# Altium PCB rt10.PcbDoc (part 4 of 4) (continued)
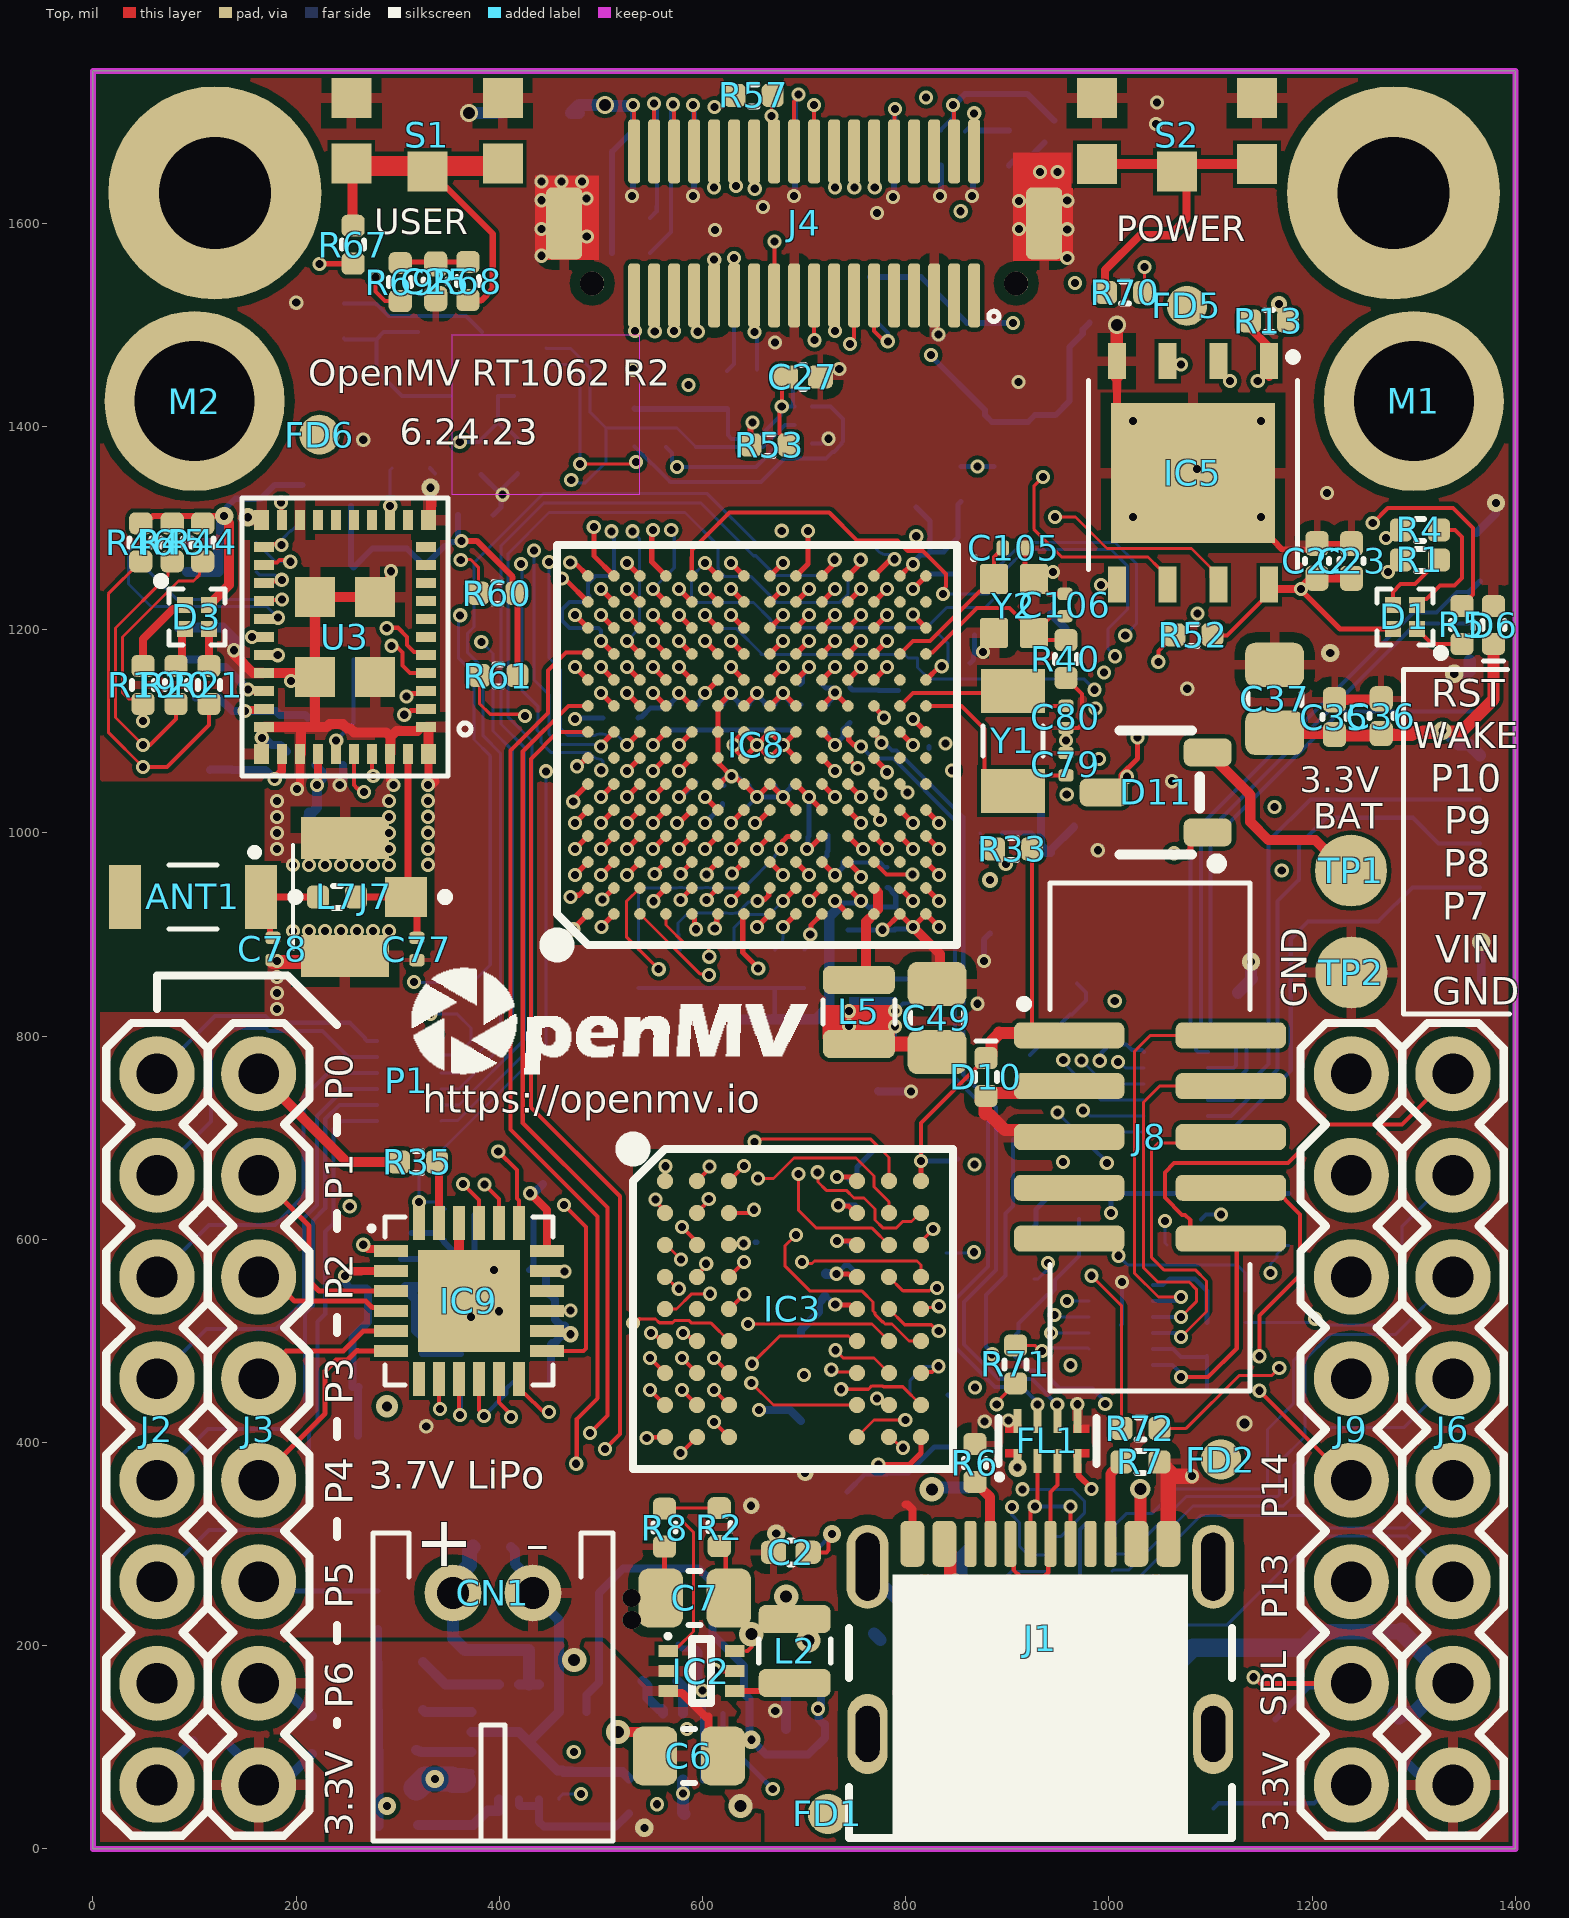
[diagram p0: Top view]
## Nets (pads, with @x,y where several pads share a name; then routed paths per layer and width w, separated by ;. In a path a pad name is that pad's centre, name@x,y a point inside that pad or via, vN(x,y) a via of type N, cw(c..) or ccw(c..) an arc to the next point about the centre after c; other vN are vias at no path point) (continued)
  Top w5: IC8.K8@717.52,1099.41 v1(730.31,1086.62)
  L3 w5: v1(730.31,1086.62) 770.69,1127 825,1127 858,1094 858,1073.13 846.31,1061.44 v1(845.59,1061.44)
  Bottom w5: C71.1@718.5,1101.2 719.73,1101.2 723.2,1097.74 723.2,1093.73 v1(730.31,1086.62) 738.34,1094.65 738.34,1102.12 C72.2@745.08,1108.86
VDDA: C51.1 C52.2 J4.4 L4.1 | length 235.6
  Top w4: v1(846.46,1716.54) 847.64,1715.35 J4.4@847.64,1670.87
  Bottom w4: C52.2@834.65,1691.34 834.65,1692.27 846.46,1704.08 v1(846.46,1716.54)
  Bottom w6: v1(846.46,1716.54) 847.56,1716.54 858.4,1727.39 919.7,1727.39 945.75,1701.34 C51.1@946.26,1701.34 ; L4.1@901.57,1657.09 905.88,1661.39 918.34,1661.39 C51.1@936.49,1679.55
VDDA_ADC_3P3: C59.1 C60.2 C61.2 IC8.N14 L6.1 | length 160.3
  Top w5: IC8.N14@794.29,1252.95 805.92,1264.58 v1(807.07,1264.58)
  Bottom w5: v1(807.07,1264.58) 807.07,1266.07 814.56,1273.56 820.63,1273.56 C59.1@823.82,1276.75 ; C61.2@810.04,1320.87 823.82,1307.09 C59.1@823.82,1276.75 ; L6.1@854.33,1326.38 851.38,1323.43 C60.2@851.38,1290.75 837.38,1276.75 C59.1@823.82,1276.75
VIN: D7.1 J6.2 Q6.D | length 484.1
  Bottom w6: J6.2@1334.31,167.26 J6.2@1338.58,162.99
  Bottom w15: 1207.28,213.72 1287.85,213.72 ; D7.1@1281.51,133.84 1281.51,133.24 1284.84,129.92 D7.1@1285.43,129.92 1288.76,133.24 1300.29,133.24 1330.04,162.99 J6.2@1338.58,162.99
  Bottom w18: Q6.D@970,161.18 1046.02,161.18 1082.81,197.97 1191.52,197.97 1207.28,213.72 ; 1287.85,213.72 J6.2@1334.31,167.26
VIN_INT: C5.2 IC1.6 Q6.S | length 461.6
  L6 w20: v1(584.6,118.15) 584.8,117.95 585.05,117.95 622,81 685,81 715.73,50.27 773.14,50.27 793.87,71 945.86,71 v2(950.41,66.44)
  Bottom w4: Q6.S@930.63,58.82 938.26,66.44 v2(950.41,66.44)
  Bottom w10: C5.2@575.2,165.35 580.71,159.84 IC1.6@580.71,133.38
VIN_LDO: C74.1 C91.2 L9.2 U3.31 | length 137.8
  Top w8: v1(149.45,1120.1) 150.47,1121.12 167.38,1121.12 U3.31@168.31,1122.04
  Bottom w8: L9.2@101,1133.5 123.73,1133.5 137.12,1120.1 v1(149.45,1120.1) 180.02,1120.1 C74.1@182,1118.13 184.13,1116 208.87,1116 C91.2@211,1113.87
WAKEUP: IC8.L6 Q2.2 | length 944.7
  Top w5: IC8.L6@743.11,1048.22 v1(755.9,1035.43)
  L4 w3: v1(1159,567) 1165.46,573.46 1165.46,912 1143,934.46 1143,1005.7 v1(1162.98,1025.67)
  L6 w3: v1(755.9,1035.43) 765.66,1025.67 952.89,1025.67 953.27,1025.29 961.14,1025.29 961.52,1025.67 v1(1162.98,1025.67)
  Bottom w3: v1(1159,567) 1159,575.82 1165.38,582.2 1165.38,585.59 1173.61,593.82 Q2.2@1177,593.82
WIFI_CLK: IC8.M13 U3.20 | length 700.8
  Top w4: v1(185.18,1325.31) 185.6,1324.89 185.6,1308.49 U3.20@186.02,1308.07
  Top w5: IC8.M13@768.7,1227.36 v1(781.49,1240.15)
  L6 w3: v1@185.36,1325.49 203.31,1343.44 298.88,1343.44 330.31,1312.01 462.57,1312.01 491.14,1283.44 680.63,1283.44 707.57,1256.5 734.89,1256.5 737.19,1254.19 742.77,1248.62 742.77,1234.23 749.35,1227.65 768.99,1227.65 v1(781.49,1240.15)
WIFI_CMD: IC8.H13 R62.1 U3.22 | length 594.2
  Top w4: U3.22@168.31,1281.49 171.22,1284.41 179.46,1284.41 182.4,1287.35 185.57,1284.18 v1(185.57,1283.44)
  Top w5: IC8.H13@666.35,1227.36 v1(679.14,1240.15)
  L3 w3: v1(185.57,1283.44) 215.56,1283.44 271.35,1227.65 666.64,1227.65 v1(679.14,1240.15)
  Bottom w3: v1(185.57,1283.44) 187.67,1285.54 187.67,1290.73 194.43,1297.49 195.43,1297.49 203.23,1305.3 R62.1@206,1305.3
WIFI_D0: IC8.M4 R63.1 U3.24 | length 1270.9
  Top w4: U3.24@168.31,1246.06 169.87,1247.62 184.32,1247.62 v1(185.88,1249.18)
  Top w5: IC8.M4@768.7,997.04 v1(781.49,984.25)
  L3 w3: v1(185.88,1249.18) 170,1265.05 170,1301 177,1308 201,1308 251,1358 413,1358 436.14,1334.86 777.14,1334.86 810.19,1301.81 810.19,1292.19 v1(810.32,1292.06)
  L4 w3: v1(781.49,984.25) 768.97,996.77 746.23,996.77 743,1000 743,1044 750,1051 758,1051 768.97,1061.97 768.97,1066.97 775,1073 785.55,1073 793.99,1081.44 793.99,1081.99 794,1127 808,1141 841,1141 860,1160 860,1262 827,1295 817,1295 816.17,1294.17 812.42,1294.17 v1(810.32,1292.06)
  Bottom w3: R63.1@160.7,1257 163.66,1254.04 178.62,1254.04 183.48,1249.18 v1(185.88,1249.18)
WIFI_D1: IC8.M3 R64.1 U3.26 | length 1860.2
  Top w4: U3.26@168.31,1210.63 168.97,1211.29 181.42,1211.29 v1(182.08,1211.96) ; IC8.M3@768.7,971.45 780.99,959.16 v1(806.5,959.16)
  L3 w3: v1(182.08,1211.96) 183.8,1211.96 187.84,1216 357.71,1216 359.48,1214.22 v1(361.38,1214.22)
  L6 w3: v1(182.08,1211.96) v1@182.97,1212.84 ; v1(315.94,853.22) 298,835.27 298,793 319,772 355,772 386,803 386,1024 407.27,1045.27 449.86,1045.27 460.58,1055.99 460.58,1067.58 495,1102 593,1102 625,1070 683,1070 692,1061 692,1001 695.66,997.34 787.66,997.34 792,993 792,991.42 793.99,989.43 793.99,979.66 805.36,968.29 805.36,960.3 v1(806.5,959.16)
  Bottom w3: R64.1@53.11,1282.82 40.82,1282.82 35,1277 35,1245 57.11,1222.89 171.15,1222.89 v1(182.08,1211.96) ; v1(315.94,853.22) 316.16,853 374,853 391,870 391,1076 375,1092 375,1157 359.54,1172.46 359.54,1212.39 v1(361.38,1214.22)
  Bottom w4: R64.1@53.11,1282.82 R64.1@55.3,1285
WIFI_D2: IC8.J12 R65.1 U3.23 | length 624.8
  Top w4: U3.23@168.31,1263.78 170.81,1266.28 181.06,1266.28 183.58,1268.79 192.48,1268.79 v1(194.23,1267.03)
  Top w5: IC8.J12@691.93,1201.77 v1(704.72,1214.56)
  L6 w3: v1(194.23,1267.03) 196.28,1267.03 201.49,1272.24 223.82,1272.24 269,1227.06 633.13,1227.06 633.19,1227 673.9,1227 673.96,1227.06 692.23,1227.06 694.63,1224.66 v1(704.72,1214.56)
  Bottom w3: R65.1@160.7,1286 179.67,1267.03 v1(194.23,1267.03)
WIFI_D3: IC8.K10 R66.1 U3.25 | length 802.1
  Top w4: U3.25@168.31,1228.34 169.1,1229.13 185.24,1229.13 v1(186.03,1229.93)
  Top w5: IC8.K10@717.52,1150.59 v1(730.31,1163.38)
  L6 w3: v1(186.03,1229.93) 189.01,1229.93 192.12,1226.82 193.18,1226.82 203,1217 203,1195 232.54,1165.46 381.81,1165.46 393.81,1177.46 479.53,1177.46 486.91,1170.07 486.91,1156.09 492.12,1150.88 642.88,1150.88 668,1176 717.69,1176 v1(730.31,1163.38)
  Bottom w3: R66.1@55.3,1257 82.37,1229.93 v1(186.03,1229.93)
WL_H_WAKE: IC8.E11 R61.1 U3.27 | length 731.3
  Top w3: R61.1@380.3,1155 380.3,1127.53 390.94,1116.89 423.61,1116.89 v1(425.33,1115.16)
  Top w4: v1(156.63,1192.87) U3.27@168.31,1192.91
  Top w5: v1(576.77,1188.97) IC8.E11@589.56,1176.18
  L4 w3: v1(425.33,1115.16) 425.33,1057.67 436.49,1046.51 449.49,1046.51 458.3,1055.33 458.3,1066.14 492.2,1100.04 533.11,1100.04 560.99,1127.92 563.68,1130.61 563.68,1175.88 v1(576.77,1188.97)
  L6 w3: v1(156.63,1192.87) 156.63,1184.21 167.53,1173.3 167.53,1166.47 171.6,1162.4 203.6,1162.4 216.28,1149.72 405.3,1149.72 425.33,1129.69 v1(425.33,1115.16)
WL_REG_ON: IC8.E10 U3.28 | length 439.7
  Top w4: U3.28@168.31,1175.19 168.4,1175.11 181.74,1175.11 v1(181.82,1175.03)
  Top w5: v1(576.77,1163.38) IC8.E10@589.56,1150.59
  L3 w3: v1(181.82,1175.03) 265.92,1175.03 274.94,1166 383,1166 393,1176 564.15,1176 v1(576.77,1163.38)
XTALI: C106.1 IC8.P11 R40.1 Y2.3 | length 196.7
  Top w4: IC8.P11@819.88,1176.18 821.3,1177.6 826.22,1177.6 870.08,1221.46 902.15,1221.46 913.99,1209.61 926.18,1197.42 Y2.3@926.18,1196.85 933.07,1189.96 R40.1@957.68,1189.96 ; Y2.3@934.31,1204.47 934.31,1205.56 937.9,1209.14 938.99,1209.14 943.26,1213.41 C106.1@956.69,1213.41
XTALO: C105.1 IC8.N11 Y2.1 | length 158.1
  Top w4: IC8.N11@794.29,1176.18 807.09,1188.98 823.79,1188.98 872.51,1237.7 875.09,1237.7 886.81,1249.42 886.81,1271.83 890.61,1275.63 891.57,1275.63 895.5,1279.55 C105.1@895.5,1280.51
pads on no net: ANT1.2 FD1.1 FD2.1 FD3.1 FD4.1 FD5.1 FD6.1 FD7.1 FD8.1 IC3.E2 IC4.1 IC4.2 IC4.3 IC4.4 IC4.5 IC4.6 IC4.7 IC4.8 IC4.13 IC4.14 IC4.16 IC4.17 IC4.20 IC7.2 IC8.B7 IC8.N3 IC8.N7 IC8.N10 IC8.N12 IC8.N13 IC8.P6 IC8.P7 IC8.P13 IC9.7 IC9.16 J1.0 J1.A8 J1.B8 J4.1 J4.3 J4.6 J4.7 J4.8 J4.9 J4.MH1 J4.MH2 J8.7 J9.5 J9.6 J9.7 J9.8 M1.1 M2.1 U1.4 U3.6 U3.7 U3.8 U3.9 U3.10 U3.11 U3.13 U3.15 U3.16 U3.17 U3.18

## Polygon pours and split planes (outlines as drawn)
VCC on L3 "VCC_L03_P007" (solid, remove dead copper, pour order 7): 0,0 0,1750 1399.61,1750 1399.61,0 1372.05,0
VCC_SOC on L3 "VCC_SOC_L03_P006" (solid, remove dead copper, pour order 6): 796.26,835.63 711.61,835.63 696.85,850.39 696.85,1150.59 611.82,1150.59 611.82,797.24 796.26,797.24
GND on Bottom "Polygon_3_Net_GND" (solid, remove dead copper, pour order 12): 2.87,2.87 2.87,823.9 168.23,823.9 168.23,1050.12 2.87,1050.12 2.87,1747.13 1397.13,1747.13 1397.13,2.87
RAW on Bottom "RAW_L08_P003" (solid, remove dead copper, pour order 3): 411,51 411,6 554.69,6 554.69,50.52 458.66,50.52
GND on Top "Polygon_2_Net_GND" (solid, remove dead copper, pour order 11): -1.06,-1.06 -1.06,823.9 168.23,823.9 168.23,1050.12 -1.06,1050.12 -1.06,1751.06 1401.06,1751.06 1401.06,-1.06
RAW on Top "RAW_L01_P004" (solid, remove dead copper, pour order 4): 139.29,204.04 501.38,204.04 546.38,159.05 610.34,159.05 657,112.39 657,7 232,7 232,77 195.84,113.16 139.16,113.16 139,113
V_BATT on L6 "V_BATT_L06_P009" (solid, remove dead copper, pour order 9): 607,172 463,172 463,9 607,9
V_BATT on L4 "V_BATT_L04_P010" (solid, remove dead copper, pour order 10): 570,104 303,104 303,5 571,5 571,9
VCC on L7 "Polygon_1_Net_VCC" (solid, remove dead copper, pour order 2): 11.12,10.75 11.12,823.9 168.23,823.9 168.23,1050.12 13.68,1050.12 10,1053.8 10,1740 1390,1740 1390,10.75
GND on L2 "Polygon_1_Net_GND" (solid, remove dead copper, pour order 5): -5,-5 -5,823.9 168.23,823.9 168.23,1050.12 -5,1050.12 -5,1755 1405,1755 1405,-5
GND on L5 "GND_L05_P008" (solid, remove dead copper, pour order 8): 0,0 0,1750 1399.61,1750 1399.61,0

## Keep-outs
Top:
  rectangle: 352.93,1333.54 538.33,1490
Keep-Out Layer:
  lines w0: 0,1750 0,0 1400,0 1400,1750
  lines w6: 0,0 1400,0 1400,1750 0,1750 0,0

## Other copper
Top:
  rectangle net GND: 905.51,1635 963,1670
  region net GND: 964.46,1635 905.51,1635 905.51,1563.15 964.46,1563.15
  rectangle net GND: 434.83,1564.14 498.03,1647.23
  rectangle net VCC_SOC: 718,797.22 789.4,830.71
  pour cut-out: 733.2,325 1132.8,325 1132.8,0.2 733.2,0.2
  pour cut-out: 452.77,1284.02 452.77,889.34 848.44,889.34 848.44,1284.02 462.61,1284.02
  pour cut-out: 531.5,688.98 847.44,688.98 847.44,375 531.5,375
  pour cut-out: 0,1050.2 0,823.68 168.83,823.68 168.83,1051.13
  pour cut-out: 153.54,970.47 292.32,970.47 292.32,1077.75 336.61,1077.75 336.61,884.29 153.54,884.29 153.54,889.76
L2:
  pour cut-out: 0,1050.2 0,823.68 168.83,823.68 168.83,1051.13
  pour cut-out: 149.61,969.49 182.09,969.49 182.09,889.76 149.61,889.76
  pour cut-out: 210.63,948.82 232.28,948.82 232.28,925.2 210.63,925.2
  pour cut-out: 248.03,925.2 269.69,925.2 269.69,948.82 248.03,948.82
  pour cut-out: 312.01,902.56 312.01,890.75 326.77,890.75 326.77,902.56
  pour cut-out: 287.4,956.69 287.4,917.32 328.74,917.32 328.74,956.69
L3:
  pour cut-out: 0,1050.2 0,823.68 168.83,823.68 168.83,1051.13
L4:
  pour cut-out: 0,1050.2 0,823.68 168.83,823.68 168.83,1051.13
L5:
  pour cut-out: 0,1050.2 0,823.68 168.83,823.68 168.83,1051.13
L6:
  pour cut-out: 0,1050.2 0,823.68 168.83,823.68 168.83,1051.13
L7:
  pour cut-out: 0,1050.2 0,823.68 168.83,823.68 168.83,1051.13
Bottom:
  rectangle net VCC_SOC: 744.09,799.21 791.34,838.58
  pour cut-out: 0,1050.2 0,823.68 168.83,823.68 168.83,1051.13

## Silkscreen, mask and mechanical layers (free items; w line width, h text height)
Top Overlay:
  circle w10: c159,981 r2.24
  rectangle: 787,11 1078,270
  lines w5: 1392,1161 1290,1161 1290,822 1394,822
  lines w8: 62.99,826.77 62.99,859.74 191.44,859.74 240.16,811.02 ; 240.16,122.05 240.16,125.98 ; 240.16,204.72 240.16,220.47 ; 240.16,307.09 240.16,322.83 ; 240.16,405.51 240.16,421.26 ; 240.16,507.87 240.16,523.62 ; 240.16,610.24 240.16,625.98 ; 240.16,704.72 240.16,720.47
  text "USER" at 277,1589.5 h25
  text "POWER" at 1007,1582.5 h25
  text "OpenMV RT1062 R2" at 212,1440 h26
  text "6.24.23" at 302,1382 h26
  text "RST" at 1317,1124.14 h27.2
  text "WAKE" at 1299,1083.16 h25.5
  text "P10" at 1316,1040.8 h27.2
  text "3.3V" at 1188,1040.34 h25
  text "BAT" at 1201,1004.25 h25
  text "P9" at 1330,999.44 h27.2
  text "P8" at 1329,957.08 h27.2
  text "P7" at 1328,914.72 h27.2
  text "VIN" at 1321,872.36 h27.2
  text "GND" at 1318,831 h27.2
  text "GND" at 1194.5,828 h25 r90
  text "P0" at 255.91,736.22 h27.2 r90
  text "https://openmv.io" at 324.8,724.41 h27.2
  text "P1" at 255.91,637.8 h27.2 r90
  text "P2" at 255.91,539.37 h27.2 r90
  text "P3" at 255.91,437.01 h27.2 r90
  text "3.7V LiPo" at 271.65,354.33 h27.2
  text "P4" at 255.91,338.58 h27.2 r90
  text "P14" at 1175.5,325 h25 r90
  text "P5" at 255.91,236.22 h27.2 r90
  text "P13" at 1175.5,226 h25 r90
  text "P6" at 255.91,137.8 h27.2 r90
  text "SBL" at 1174.5,130 h25 r90
  text "3.3V" at 1176.5,17 h25 r90
  text "3.3V" at 255.91,11.81 h27.2 r90
Bottom Overlay:
  rectangle: 975.39,874.02 1333.66,1289.37
  lines w8: 62.99,826.77 62.99,866.14 185.04,866.14 240.16,811.02 ; 200.79,799.21 216.54,814.96 ; 229.33,204.72 229.33,220.47 ; 229.33,307.09 229.33,322.83 ; 229.33,405.51 229.33,421.26 ; 229.33,507.87 229.33,523.62 ; 229.33,610.24 229.33,625.98 ; 229.33,704.72 229.33,720.47 ; 236.22,834.65 244.09,842.52 350.39,842.52 350.39,1056.31 488.19,1056.31 488.19,678.35 ; 248.03,122.05 248.03,125.98
  text "ELED" at 471.38,1012.35 h27.2
  text "ERXN" at 471.38,964.35 h27.2
  text "ERXP" at 471.38,916.35 h27.2
  text "ETXN" at 471.38,868.35 h27.2
  text "ETXP" at 471.38,820.35 h27.2
  text "PBTN" at 471.38,772.35 h27.2
  text "P0" at 213.58,736.22 h27.2 r270
  text "RAW" at 471.38,724.35 h27.2
  text "GND" at 471.38,676.35 h27.2
  text "P1" at 213.58,637.8 h27.2 r270
  text "P2" at 213.58,539.37 h27.2 r270
  text "I/Os  / 3.3V" at 637,456 h25
  text "P3" at 213.58,437.01 h27.2 r270
  text "Tolerant" at 640,411 h25
  text "VIN 5V Max" at 637,364 h25
  text "P4" at 213.58,338.58 h27.2 r270
  text "P5" at 213.58,236.22 h27.2 r270
  text "P6" at 237.2,142.72 h27.2 r270
  text "3.3V" at 233.27,11.81 h27.2 r270
Dimension:
  lines w6: 1452.22,696.71 1567.33,696.71 1789.8,696.71 1989.79,696.71 2154.02,696.71 ; 1452.22,751.79 1567.33,751.79 1789.8,751.79 1989.79,751.79 2154.02,751.79 ; 1452.22,806.87 1567.33,806.87 1789.8,806.87 1989.79,806.87 2154.02,806.87 ; 1452.22,861.94 1567.33,861.94 1789.8,861.94 1989.79,861.94 2154.02,861.94 ; 1452.22,917.02 1567.33,917.02 1789.8,917.02 1989.79,917.02 2154.02,917.02 ; 1452.22,972.1 1567.33,972.1 1789.8,972.1 1989.79,972.1 2154.02,972.1 ; 1452.22,1027.17 1567.33,1027.17 1789.8,1027.17 1989.79,1027.17 2154.02,1027.17 ; 1452.22,1082.25 1567.33,1082.25 1789.8,1082.25 1989.79,1082.25 2154.02,1082.25 ; 1452.22,1137.33 1567.33,1137.33 1789.8,1137.33 1989.79,1137.33 2154.02,1137.33 ; 1452.22,1192.41 1567.33,1192.41 1789.8,1192.41 1989.79,1192.41 2154.02,1192.41 ; 1452.22,1247.48 1567.33,1247.48 1789.8,1247.48 1989.79,1247.48 2154.02,1247.48 ; 1452.22,1302.56 1567.33,1302.56 1789.8,1302.56 1989.79,1302.56 2154.02,1302.56 ; 1452.22,1357.64 1567.33,1357.64 1789.8,1357.64 1989.79,1357.64 2154.02,1357.64 ; 1452.22,1412.72 1567.33,1412.72 1789.8,1412.72 1989.79,1412.72 2154.02,1412.72 ; 1452.22,1467.79 1567.33,1467.79 1789.8,1467.79 1989.79,1467.79 2154.02,1467.79 ; 1452.22,1522.87 1567.33,1522.87 1789.8,1522.87 1989.79,1522.87 2154.02,1522.87 ; 1452.22,1577.95 1567.33,1577.95 1789.8,1577.95 1989.79,1577.95 2154.02,1577.95 ; 1452.22,1633.02 1567.33,1633.02 1789.8,1633.02 1989.79,1633.02 2154.02,1633.02 ; 1452.22,1688.1 2154.02,1688.1 ; 1567.33,1743.18 1567.33,641.63 ; 1789.8,1743.18 1789.8,641.63 ; 1989.79,1743.18 1989.79,641.63 ; 1567.33,641.63 1452.22,641.63 1452.22,1743.18 2154.02,1743.18 2154.02,641.63 1989.79,641.63 ; 1567.33,641.63 1789.8,641.63 ; 1789.8,641.63 1989.79,641.63
  text "OpenMV RT10" at 1034,1785.1 h80
  text "Layer" at 1479.76,1701.87 h27.54
  text "Name" at 1594.87,1701.87 h27.54
  text "Material" at 1817.34,1701.87 h27.54
  text "Thickness" at 2017.33,1701.87 h27.54
  text "Top Overlay" at 1594.87,1646.79 h27.54
  text "Top Solder" at 1594.87,1591.72 h27.54
  text "Solder Resist" at 1817.34,1591.72 h27.54
  text "0.010mm" at 2017.33,1591.72 h27.54
  text "1" at 1479.76,1536.64 h27.54
  text "Top" at 1594.87,1536.64 h27.54
  text "0.035mm" at 2017.33,1536.64 h27.54
  text "Dielectric 1" at 1594.87,1481.56 h27.54
  text "FR-4" at 1817.34,1481.56 h27.54
  text "0.100mm" at 2017.33,1481.56 h27.54
  text "2" at 1479.73,1426.48 h27.54
  text "L2" at 1594.87,1426.48 h27.54
  text "0.035mm" at 2017.33,1426.48 h27.54
  text "Dielectric 4" at 1594.87,1371.41 h27.54
  text "FR-4" at 1817.34,1371.41 h27.54
  text "0.150mm" at 2017.33,1371.41 h27.54
  text "3" at 1479.76,1316.33 h27.54
  text "L3" at 1594.87,1316.33 h27.54
  text "0.035mm" at 2017.33,1316.33 h27.54
  text "Dielectric2" at 1594.87,1261.25 h27.54
  text "FR-4" at 1817.34,1261.25 h27.54
  text "0.130mm" at 2017.33,1261.25 h27.54
  text "4" at 1479.76,1206.18 h27.54
  text "L4" at 1594.87,1206.18 h27.54
  text "0.035mm" at 2017.33,1206.18 h27.54
  text "Dielectric 5" at 1594.87,1151.1 h27.54
  text "FR-4" at 1817.34,1151.1 h27.54
  text "0.150mm" at 2017.33,1151.1 h27.54
  text "5" at 1479.76,1096.02 h27.54
  text "L5" at 1594.87,1096.02 h27.54
  text "0.035mm" at 2017.33,1096.02 h27.54
  text "Dielectric 6" at 1594.87,1040.94 h27.54
  text "FR-4" at 1817.34,1040.94 h27.54
  text "0.130mm" at 2017.33,1040.94 h27.54
  text "6" at 1479.76,985.87 h27.54
  text "L6" at 1594.87,985.87 h27.54
  text "0.035mm" at 2017.33,985.87 h27.54
  text "Dielectric3" at 1594.87,930.79 h27.54
  text "FR-4" at 1817.34,930.79 h27.54
  text "0.150mm" at 2017.33,930.79 h27.54
  text "7" at 1479.76,875.71 h27.54
  text "L7" at 1594.87,875.71 h27.54
  text "0.035mm" at 2017.33,875.71 h27.54
  text "Dielectric 7" at 1594.87,820.64 h27.54
  text "FR-4" at 1817.34,820.64 h27.54
  text "0.100mm" at 2017.33,820.64 h27.54
  text "8" at 1479.76,765.56 h27.54
  text "Bottom" at 1594.87,765.56 h27.54
  text "0.035mm" at 2017.33,765.56 h27.54
  text "Bottom Solder" at 1594.87,710.48 h27.54
  text "Solder Resist" at 1817.34,710.48 h27.54
  text "0.010mm" at 2017.33,710.48 h27.54
  text "Bottom Overlay" at 1594.87,655.4 h27.54
  text "TG-170 or equivalent substrate  / Er = 4.3-4.5 @ 1MHz / +/- 10% /  / double side solder mask red / double side silkscreen white /  / 3 mil min trace width and / 4 mil min isolation /  / RoHS required" at 1440,21.11 h30
Drill Drawing:
  circle w10: c2996.62,2112.28 r20
  circle w10: c2996.62,2112.28 r33.33
  circle w10: c2996.62,1812.28 r33.33
  lines w10: 2963.29,428.94 2996.62,445.61 3029.96,428.94 3013.29,462.27 3029.96,495.61 2996.62,478.94 2963.29,495.61 2979.96,462.27 2963.29,428.94 ; 2963.29,645.61 3029.96,645.61 2996.62,578.94 2963.29,645.61 ; 2963.29,795.61 3029.96,795.61 2996.62,728.94 2963.29,795.61 ; 2963.29,1045.61 2979.96,1045.61 2979.96,1028.94 3013.29,1028.94 3013.29,1045.61 3029.96,1045.61 3029.96,1078.94 3013.29,1078.94 3013.29,1095.61 2979.96,1095.61 2979.96,1078.94 2963.29,1078.94 2963.29,1045.61 ; 2963.29,1195.61 2979.96,1195.61 2996.62,1178.94 3013.29,1195.61 3029.96,1195.61 3013.29,1212.28 3029.96,1228.94 3013.29,1228.94 2996.62,1245.61 2979.96,1228.94 2963.29,1228.94 2979.96,1212.28 2963.29,1195.61 ; 2963.29,1328.94 3029.96,1328.94 3029.96,1395.61 2963.29,1395.61 2963.29,1328.94 ; 2963.29,1495.61 2979.96,1495.61 2979.96,1478.94 3013.29,1478.94 3013.29,1495.61 3029.96,1495.61 3029.96,1528.94 3013.29,1528.94 3013.29,1545.61 2979.96,1545.61 2979.96,1528.94 2963.29,1528.94 2963.29,1495.61 ; 2963.29,1628.94 2963.29,1645.61 2979.96,1662.28 2963.29,1678.94 2963.29,1695.61 2979.96,1695.61 2996.62,1678.94 3013.29,1695.61 3029.96,1695.61 3029.96,1678.94 3013.29,1662.28 3029.96,1645.61 3029.96,1628.94 3013.29,1628.94 2996.62,1645.61 2979.96,1628.94 2963.29,1628.94 ; 2963.29,1962.28 2996.62,1928.94 3029.96,1962.28 2996.62,1995.61 2963.29,1962.28 ; 2976.62,442.27 2996.62,452.27 3016.62,442.27 3006.62,462.27 3016.62,482.27 2996.62,472.27 2976.62,482.27 2986.62,462.27 2976.62,442.27 ; 2976.62,782.27 3016.62,782.27 2996.62,742.27 2976.62,782.27 ; 2976.62,1502.28 2986.62,1502.28 2986.62,1492.28 3006.62,1492.28 3006.62,1502.28 3016.62,1502.28 3016.62,1522.28 3006.62,1522.28 3006.62,1532.28 2986.62,1532.28 2986.62,1522.28 2976.62,1522.28 2976.62,1502.28 ; 2976.62,1642.28 2976.62,1652.28 2986.62,1662.28 2976.62,1672.28 2976.62,1682.28 2986.62,1682.28 2996.62,1672.28 3006.62,1682.28 3016.62,1682.28 3016.62,1672.28 3006.62,1662.28 3016.62,1652.28 3016.62,1642.28 3006.62,1642.28 2996.62,1652.28 2986.62,1642.28 2976.62,1642.28
  lines w15: 2903.5,383.94 16171.77,383.94 ; 2903.5,2183.94 16171.77,2183.94 ; 3454.38,233.94 3454.38,2333.94 ; 4054.22,233.94 4054.22,2333.94 ; 5193.88,233.94 5193.88,2333.94 ; 5699.76,233.94 5699.76,2333.94 ; 6433.56,233.94 6433.56,2333.94 ; 7623.22,233.94 7623.22,2333.94 ; 8213.06,233.94 8213.06,2333.94 ; 8958.86,233.94 8958.86,2333.94 ; 10158.51,233.94 10158.51,2333.94 ; 11012.27,233.94 11012.27,2333.94 ; 12345.88,233.94 12345.88,2333.94 ; 13679.49,233.94 13679.49,2333.94 ; 14769.17,233.94 14769.17,2333.94 ; 2903.5,233.94 16171.77,233.94 16171.77,2333.94 2903.5,2333.94 2903.5,233.94
  text "Symbol" at 2993.5,2228.94 h72
  text "Count" at 3499.38,2228.94 h72
  text "Hole Size" at 4099.22,2228.94 h72
  text "Plated" at 5238.88,2228.94 h72
  text "Hole Type" at 5744.76,2228.94 h72
  text "Drill Layer Pair" at 6478.56,2228.94 h72
  text "Via/Pad" at 7668.22,2228.94 h72
  text "Pad Shape" at 8258.06,2228.94 h72
  text "Template" at 9003.86,2228.94 h72
  text "Description" at 10203.51,2228.94 h72
  text "Hole Tolerance (+)" at 11057.27,2228.94 h72
  text "Hole Tolerance (-)" at 12390.88,2228.94 h72
  text "Hole Length" at 13724.49,2228.94 h72
  text "Routed Path Length" at 14814.17,2228.94 h72
  text "2" at 3499.38,2078.94 h60
  text "0.254mm (10.00mil)" at 4099.22,2078.94 h60
  text "PTH" at 5238.88,2078.94 h60
  text "Round" at 5744.76,2078.94 h60
  text "Top - Bottom" at 6478.56,2078.94 h60
  text "Via" at 7668.22,2078.94 h60
  text "Rounded" at 8258.06,2078.94 h60
  text "(Mixed)" at 9003.86,2078.94 h60
  text "-" at 13724.49,2078.94 h60
  text "-" at 14814.17,2078.94 h60
  text "2" at 3499.38,1928.94 h60
  text "0.457mm (18.00mil)" at 4099.22,1928.94 h60
  text "PTH" at 5238.88,1928.94 h60
  text "Round" at 5744.76,1928.94 h60
  text "Top - Bottom" at 6478.56,1928.94 h60
  text "Via" at 7668.22,1928.94 h60
  text "Rounded" at 8258.06,1928.94 h60
  text "v46h46m0mx0" at 9003.86,1928.94 h60
  text "-" at 13724.49,1928.94 h60
  text "-" at 14814.17,1928.94 h60
  text "2" at 3499.38,1778.94 h60
  text "0.600mm (23.62mil)" at 4099.22,1778.94 h60
  text "NPTH" at 5238.88,1778.94 h60
  text "Round" at 5744.76,1778.94 h60
  text "Top - Bottom" at 6478.56,1778.94 h60
  text "Pad" at 7668.22,1778.94 h60
  text "Rounded" at 8258.06,1778.94 h60
  text "c60hn60" at 9003.86,1778.94 h60
  text "-" at 13724.49,1778.94 h60
  text "-" at 14814.17,1778.94 h60
  text "2" at 3499.38,1628.94 h60
  text "0.600mm (23.62mil)" at 4099.22,1628.94 h60
  text "PTH" at 5238.88,1628.94 h60
  text "Slot" at 5744.76,1628.94 h60
  text "Top - Bottom" at 6478.56,1628.94 h60
  text "Pad" at 7668.22,1628.94 h60
  text "Rounded" at 8258.06,1628.94 h60
  text "r200_100h60_140r100" at 9003.86,1628.94 h60
  text "1.400mm (55.12mil)" at 13724.49,1628.94 h60
  text "0.800mm (31.50mil)" at 14814.17,1628.94 h60
  text "2" at 3499.38,1478.94 h60
  text "0.600mm (23.62mil)" at 4099.22,1478.94 h60
  text "PTH" at 5238.88,1478.94 h60
  text "Slot" at 5744.76,1478.94 h60
  text "Top - Bottom" at 6478.56,1478.94 h60
  text "Pad" at 7668.22,1478.94 h60
  text "Rounded" at 8258.06,1478.94 h60
  text "r210_105h60_170r100" at 9003.86,1478.94 h60
  text "1.700mm (66.93mil)" at 13724.49,1478.94 h60
  text "1.100mm (43.31mil)" at 14814.17,1478.94 h60
  text "2" at 3499.38,1328.94 h60
  text "0.650mm (25.59mil)" at 4099.22,1328.94 h60
  text "NPTH" at 5238.88,1328.94 h60
  text "Round" at 5744.76,1328.94 h60
  text "Top - Bottom" at 6478.56,1328.94 h60
  text "Pad" at 7668.22,1328.94 h60
  text "Rounded" at 8258.06,1328.94 h60
  text "c65hn65" at 9003.86,1328.94 h60
  text "-" at 13724.49,1328.94 h60
  text "-" at 14814.17,1328.94 h60
  text "2" at 3499.38,1178.94 h60
  text "0.800mm (31.50mil)" at 4099.22,1178.94 h60
  text "PTH" at 5238.88,1178.94 h60
  text "Round" at 5744.76,1178.94 h60
  text "Top - Bottom" at 6478.56,1178.94 h60
  text "Pad" at 7668.22,1178.94 h60
  text "Rounded" at 8258.06,1178.94 h60
  text "c142h80" at 9003.86,1178.94 h60
  text "-" at 13724.49,1178.94 h60
  text "-" at 14814.17,1178.94 h60
  text "2" at 3499.38,1028.94 h60
  text "2.800mm (110.24mil)" at 4099.22,1028.94 h60
  text "PTH" at 5238.88,1028.94 h60
  text "Round" at 5744.76,1028.94 h60
  text "Top - Bottom" at 6478.56,1028.94 h60
  text "Pad" at 7668.22,1028.94 h60
  text "Rounded" at 8258.06,1028.94 h60
  text "c533h280m538" at 9003.86,1028.94 h60
  text "-" at 13724.49,1028.94 h60
  text "-" at 14814.17,1028.94 h60
  text "2" at 3499.38,878.94 h60
  text "3.000mm (118.11mil)" at 4099.22,878.94 h60
  text "PTH" at 5238.88,878.94 h60
  text "Round" at 5744.76,878.94 h60
  text "Top - Bottom" at 6478.56,878.94 h60
  text "Pad" at 7668.22,878.94 h60
  text "Rounded" at 8258.06,878.94 h60
  text "c450h300m455" at 9003.86,878.94 h60
  text "-" at 13724.49,878.94 h60
  text "-" at 14814.17,878.94 h60
  text "A" at 2964.41,868.95 h66.67
  text "12" at 3499.38,728.94 h60
  text "0.305mm (12.00mil)" at 4099.22,728.94 h60
  text "PTH" at 5238.88,728.94 h60
  text "Round" at 5744.76,728.94 h60
  text "Top - Bottom" at 6478.56,728.94 h60
  text "Via" at 7668.22,728.94 h60
  text "Rounded" at 8258.06,728.94 h60
  text "(Mixed)" at 9003.86,728.94 h60
  text "-" at 13724.49,728.94 h60
  text "-" at 14814.17,728.94 h60
  text "32" at 3499.38,578.94 h60
  text "1.016mm (40.00mil)" at 4099.22,578.94 h60
  text "PTH" at 5238.88,578.94 h60
  text "Round" at 5744.76,578.94 h60
  text "Top - Bottom" at 6478.56,578.94 h60
  text "Pad" at 7668.22,578.94 h60
  text "Rounded" at 8258.06,578.94 h60
  text "c188h102" at 9003.86,578.94 h60
  text "-" at 13724.49,578.94 h60
  text "-" at 14814.17,578.94 h60
  text "547" at 3499.38,428.94 h60
  text "0.203mm (8.00mil)" at 4099.22,428.94 h60
  text "PTH" at 5238.88,428.94 h60
  text "Round" at 5744.76,428.94 h60
  text "Top - Bottom" at 6478.56,428.94 h60
  text "Via" at 7668.22,428.94 h60
  text "Rounded" at 8258.06,428.94 h60
  text "(Mixed)" at 9003.86,428.94 h60
  text "-" at 13724.49,428.94 h60
  text "-" at 14814.17,428.94 h60
  text "609 Total" at 3499.38,278.94 h60
  text "Slot definitions :" at 2993.5,133.97 h60
  text "Routed Path Length" at 4026.19,133.97 h60
  text "= Calculated from tool start centre position to tool end centre position." at 5128.86,133.97 h60
  text "Hole Length" at 4026.19,33.99 h60
  text "= Routed Path Length + Tool Size = Slot length as defined in the PCB layout" at 4718.99,33.99 h60

## Text inside footprints (layer, text, board x,y; h text height)
CN1: Top Overlay "-" at 449.96,330.56 h86.8 r180; Top Overlay "+" at 374.57,338.43 h86.8 r180
J1: Top Mechanical 13/Mechanical 14 "PCB EDGE" at 1145.06,14.76 h16